# Altium PCB PCB2.PcbDoc
Units mm, origin at the board's own origin, x right, y up, seen from the top; angles counter-clockwise.
Board outline 80 x 66 mm, 2 copper layers (Top Layer, Bottom Layer); 32 components, 32 nets, 157 pads, 45 vias.
Unrouted connection lines stored in the file: 28.
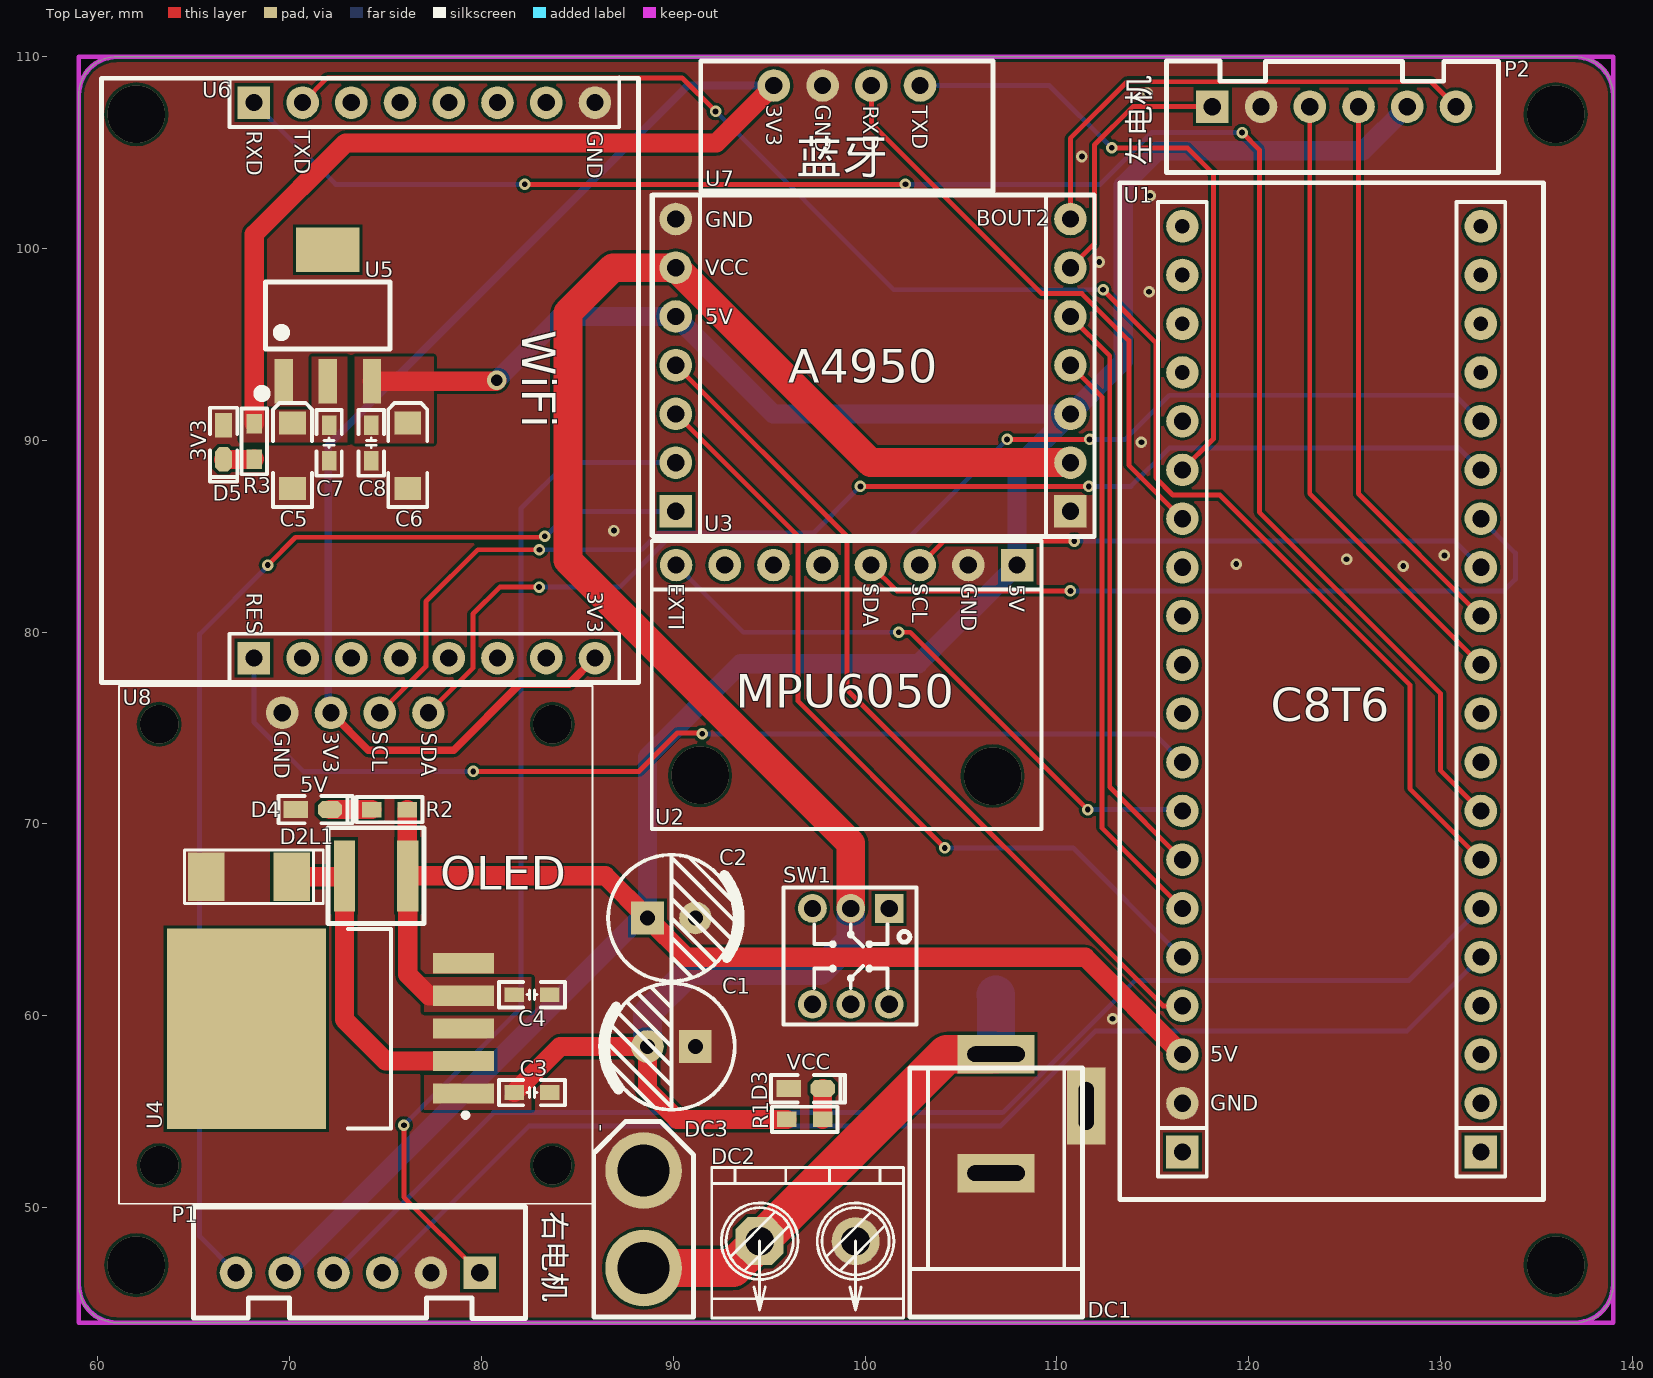
[diagram p0: Top Layer view]
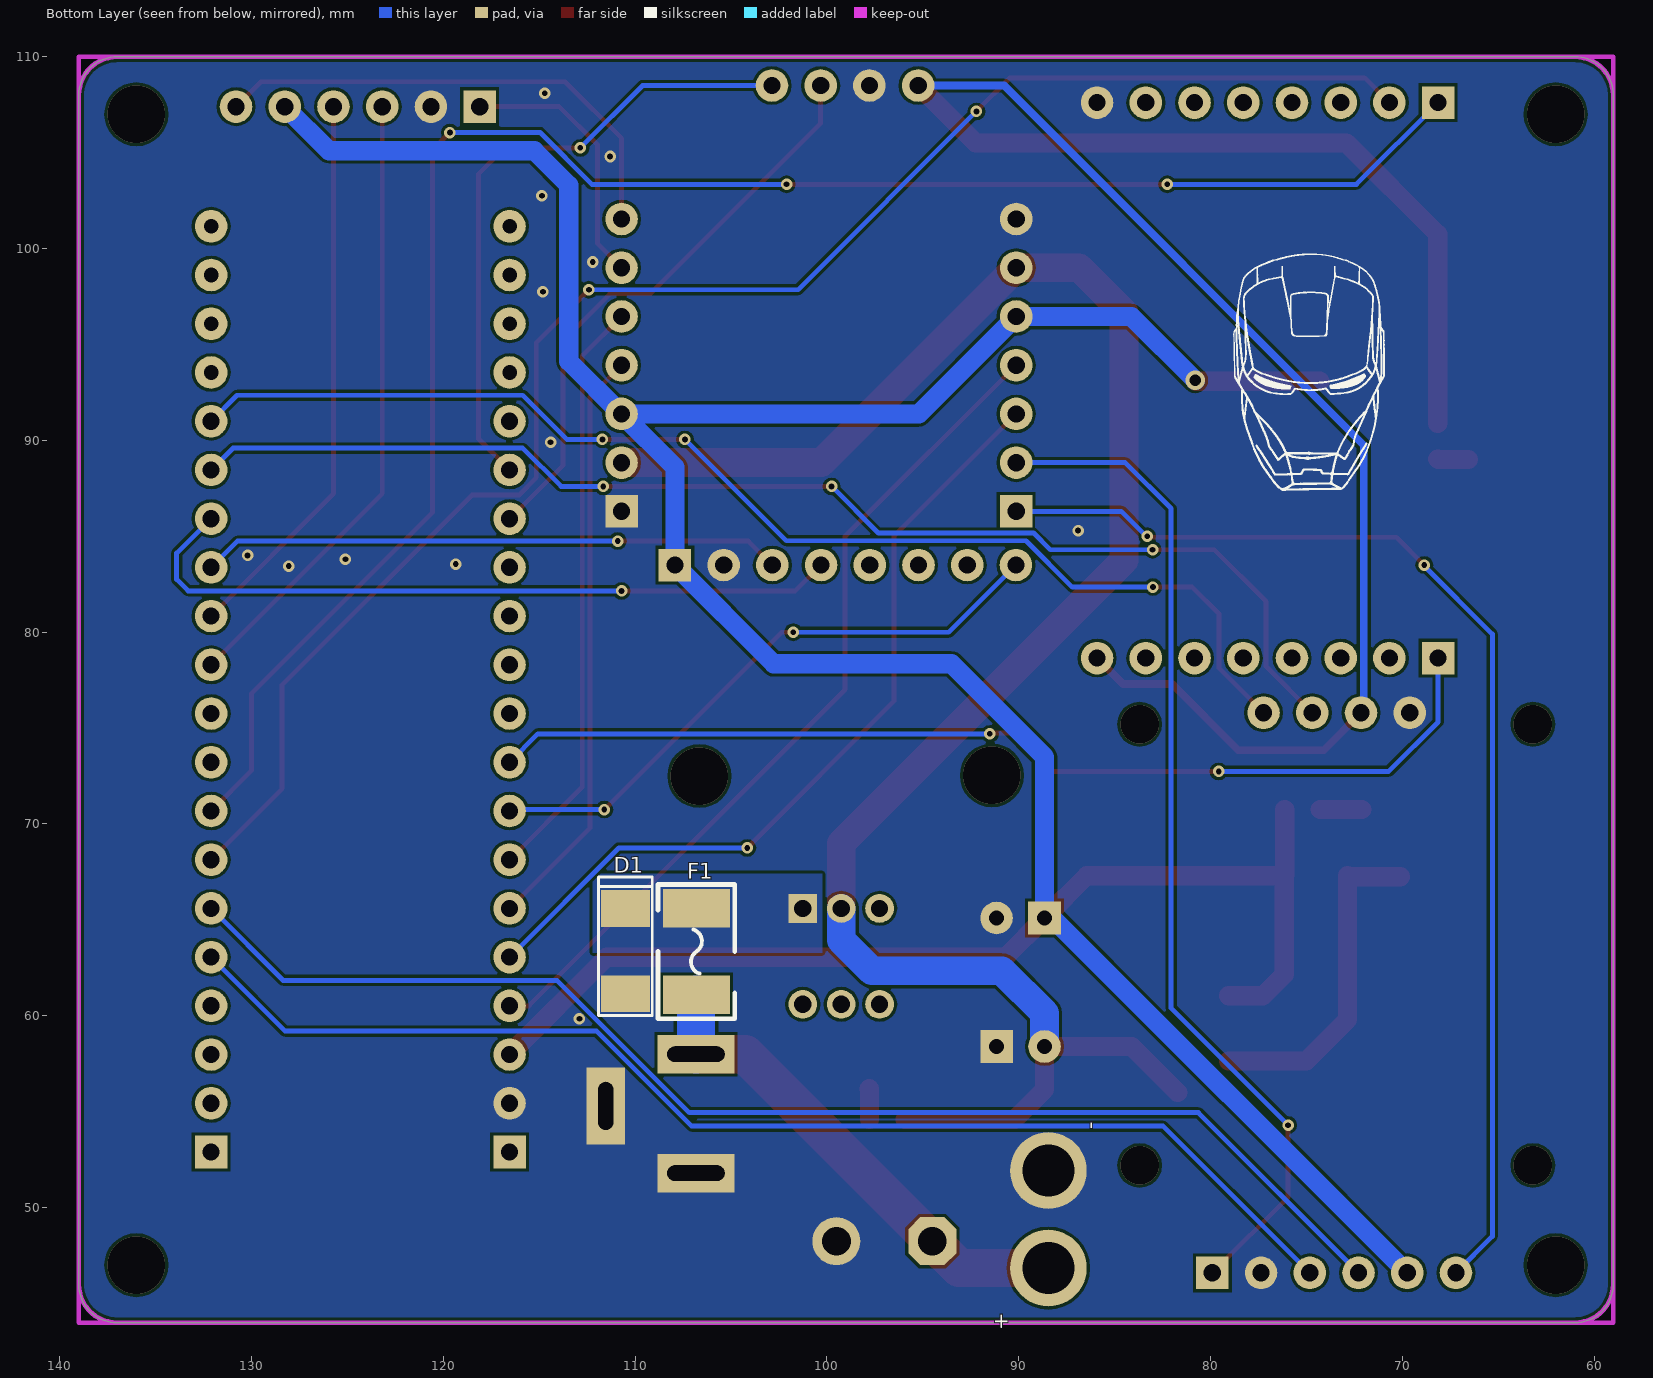
[diagram p1: Bottom Layer view, seen from below]

## Layer stack, top to bottom
Top Solder: solder mask 0.0102, Solder Resist, Dk 3.5
Top Layer: signal copper 0.0356
Dielectric 1: dielectric 0.32, FR-4, Dk 4.8
Bottom Layer: signal copper 0.0356
Bottom Solder: solder mask 0.0102, Solder Resist, Dk 3.5

## Board outline
59,46 ccw(c61,46) 61,44 137,44 ccw(c137,46) 139,46 139,108 ccw(c137,108) 137,110 61,110 ccw(c61,108) 59,108

## Design rules (kind name [scope] priority, off if disabled: settings)
Clearance [All] p1: gap=0.152 ignorepadtopadclearanceinfootprint=FALSE except(0: Arc-Hole Track-Hole SMDPad-Hole THPad-Hole Via-Hole Fill-Hole Poly-Hole Region-Hole Text-Hole)
PlaneConnect [All] p1: planeconnectstyle=Direct reliefexpansion=0.508 reliefentries=4 reliefconductorwidth=0.254 reliefairgap=0.254
PolygonConnect [All] p1: connectstyle=Direct reliefconductorwidth=0.254 reliefentries=4 polygonreliefangle="90 Angle" airgapwidth=0.254
RoutingVias [All] p1: holewidth=0.3 width=0.6 viastyle="Through Hole" minholewidth=0.3 minwidth=0.6 maxholewidth=0.3 maxwidth=0.6
SolderMaskExpansion [All] p1: expansion=0.102 istentingtop=FALSE
Width [All] p1: maxlimit=3 minlimit=0.254 preferedwidth=0.254
29 further rules are at their usual default settings.

## Components (designator, comment, footprint, x,y, rotation, side; value= is the part's Value field where it differs from the comment)
C1 "220uf" "CAP 2.5*6.3*11.2" 89.9,58.4 r180 top
C2 "220uf" "CAP 2.5*6.3*11.2" 89.9,65.1 r0 top
C3 "0.1uf" C_0603 82.627,56 r180 top
C4 "0.1uf" C_0603 82.627,61.1 r180 top
C5 "10uf" "CD A(3216)" 70.15,89.2 r270 top
C6 "10uf" "CD A(3216)" 76.15,89.2 r270 top
C7 "0.1uf" C_0603 72.05,89.873 r90 top
C8 "0.1uf" C_0603 74.25,89.873 r90 top
D1 "SS34" D_1N5819 110.5,63.65 r90 bottom
D2 "SS34" D_1N5819 68.15,67.25 r0 top
D3 "LED" LED_0603 96.9,56.2 r0 top
D4 "LED" LED_0603 71.211,70.75 r0 top
D5 "LED" LED_0603 66.55,89.9 r270 top
DC1 "DC-005插座" DC-005-5.5*2.1 106.95,51.8 r270 top
DC2 "接线端子" 接线端子 92,43.25 r0 top
DC3 "XT30" XT30-M 88.45,49.39 r90 top
F1 "3A/16V" "FU 1812" 106.8,63.35 r90 bottom
L1 "33uH" L_SWPA4020 74.5,67.3 r0 top
P1 "XH2.54" XH2.54-LI-6P 73.55,46.6 r180 top
P2 "XH2.54" XH2.54-LI-6P 124.45,107.4 r0 top
R1 "2K" R_0603 96.85,54.6 r180 top
R2 "1K" R_0603 75.2,70.75 r0 top
R3 "500" R_0603 68.15,89.95 r90 top
SW1 "六脚自锁开关-7*7" "KFT DIP-7X7" 99.25,63.1 r180 top
U1 "C8T6最小系统板" C8T6最小系统板 125.37,68.43 r180 top
U2 "MPU6050" MPU6050 98.395,77.15 r270 top
U3 "A4950" A4950 99.143,95.317 r180 top
U4 "LM2596S-5.0" T0263 73.6,58.5 r0 top
U5 "AMS-1117-3.3V" SOT223 71.856,96.638 r0 top
U6 "ESP8266-12S" ESP8266-12S 64.18,81.38 r90 top
U7 "蓝牙模块" 蓝牙模块 99.7,109 r270 top
U8 "OLED" OLED 73.19,63.7 r0 top

## Footprints (in the part's own frame and the unit in brackets; to place one, negate y for a bottom-side part, rotate by r counter-clockwise, add the part's x,y. Pads: shape width x height; smd on the part's side, far side on the other; paste and mask are expansions set on the pad)
A4950 [mm]
  rect 1.7x1.7 hole 0.9: 1(-11.557,9.017) 8(9.017,9.017)
  round 1.7 hole 0.9: 2(-11.557,6.477) 3(-11.557,3.937) 4(-11.557,1.397) 5(-11.557,-1.143) 6(-11.557,-3.683) 7(-11.557,-6.223) 9(9.017,6.477) 10(9.017,3.937) 11(9.017,1.397) 12(9.017,-1.143) 13(9.017,-3.683) 14(9.017,-6.223)
  silkscreen extent -12.83,-7.49 10.29,10.32, body extent -12.83,-7.49 10.29,10.29, height 8.5
C8T6最小系统板 [mm]
  rect 1.7x1.7 hole 0.9: 1(-6.73,15.53) 21(8.83,15.53)
  round 1.7 hole 0.9: 2(-6.73,12.99) 3(-6.73,10.45) 4(-6.73,7.91) 5(-6.73,5.37) 6(-6.73,2.83) 7(-6.73,0.29) 8(-6.73,-2.25) 9(-6.73,-4.79) 10(-6.73,-7.33) 11(-6.73,-9.87) 12(-6.73,-12.41) 13(-6.73,-14.95) 14(-6.73,-17.49) 15(-6.73,-20.03) 16(-6.73,-22.57) 22(8.83,12.99) 23(8.83,10.45) 24(8.83,7.91) 25(8.83,5.37) 26(8.83,2.83) 27(8.83,0.29) 28(8.83,-2.25) 29(8.83,-4.79) 30(8.83,-7.33) 31(8.83,-9.87) 32(8.83,-12.41) 33(8.83,-14.95) 34(8.83,-17.49) 35(8.83,-20.03) 36(8.83,-22.57)
  round 1.7 hole 0.762: 17(-6.73,-25.11) 18(-6.73,-27.65) 19(-6.73,-30.19) 20(-6.73,-32.73) 37(8.83,-25.11) 38(8.83,-27.65) 39(8.83,-30.19) 40(8.83,-32.73)
  silkscreen extent -10,-35 12.1,18, body extent -8,-34 10.1,16.8, height 8.5
C_0603 [mil]
  rect 40x30 smd: 1(-36.5,0) 2(36.5,0)
  silkscreen extent -68,-26 68,26, body extent -31,-16 31,16, height 32
"CAP 2.5*6.3*11.2" [mm] "脚距2.5mm直径6.3mm高度11.2mm"
  rect 1.7x1.7 hole 0.8: 1(-1.25,0)
  round 1.7 hole 0.8: 2(1.25,0)
  silkscreen extent -3.3,-3.3 3.56,3.3, body extent -3.15,-3.15 3.16,3.15, height 11.23
"CD A(3216)" [mm] "长3.2mm，宽1.6mm，厚1.6mm      淘宝ID:黄晶宝石"
  rect 1.2x1.4 smd: 1(-1.7,0) 2(1.7,0)
  silkscreen extent -2.74,-1.02 2.67,1.02, body extent -1.6,-0.8 1.6,0.8, height 1.6
D_1N5819 [mm]
  rect 1.905x2.54 smd: 1(1.945,0) 2(-2.5,0)
  silkscreen extent -3.64,-1.4 3.6,1.4, body extent -2.88,-1.3 2.32,1.3, height 2.4
DC-005-5.5*2.1 [mm]
  rect 2x4 hole 0.8 slot 3 at 90 deg: 1(-6.2,-0.127) 2(0,-0.127)
  rect 4x2 hole 0.8 slot 2.5 at 0 deg: 3(-3.5,4.573)
  silkscreen extent -5.48,-4.63 7.5,4.37, body extent -6.55,-4.63 7.5,4.67, height 11.2
ESP8266-12S [mm]
  rect 1.7x1.7 hole 0.9: 1(-2.73,-3.95) 9(26.23,-3.95)
  round 1.7 hole 0.9: 2(-2.73,-6.49) 3(-2.73,-9.03) 4(-2.73,-11.57) 5(-2.73,-14.11) 6(-2.73,-16.65) 7(-2.73,-19.19) 8(-2.73,-21.73) 10(26.23,-6.49) 11(26.23,-9.03) 12(26.23,-11.57) 13(26.23,-14.11) 14(26.23,-16.65) 15(26.23,-19.19) 16(26.23,-21.73)
  silkscreen extent -4,-24 27.54,4, body extent -4,-23 27.5,-2.68, height 8.5
"FU 1812" [mm] "贴片保险丝-1812"
  rect 2x3.5 smd: 1(-2.25,0) 2(2.25,0)
  silkscreen extent -3.5,-2 3.5,2, body extent -2.3,-1.61 2.3,1.61, height 0.87
"KFT DIP-7X7" [mm] "自锁开关，规格：7*7mm"
  rect 1.5x1.5 hole 0.9: 1(-2,-2.5)
  round 1.5 hole 0.9: 2(0,-2.5) 3(2,-2.5) 4(-2,2.5) 5(0,2.5) 6(2,2.5)
  silkscreen extent -3.42,-3.58 3.51,3.56, body extent -3.5,-3.5 3.5,3.5, height 11.2
L_SWPA4020 [mm]
  rect 1.1x3.7 smd: 1(-1.651,0) 2(1.651,0)
  silkscreen extent -2.51,-2.49 2.49,2.51, body extent -2.01,-1.99 1.99,2.01, height 2
LED_0603 [mil]
  rect 50x35 smd: 1(-35,0)
  oct 50x35 smd: 2(35,0)
  silkscreen extent -71,-28 81,28, body extent -32,-16 31,16, height 18
MPU6050 [mm]
  rect 1.7x1.7 hole 0.9: 1(-6.35,9.525)
  round 1.7 hole 0.9: 2(-6.35,6.985) 3(-6.35,4.445) 4(-6.35,1.905) 5(-6.35,-0.635) 6(-6.35,-3.175) 7(-6.35,-5.715) 8(-6.35,-8.255)
  silkscreen extent -7.62,-9.53 7.41,10.8, body extent -7.62,-9.53 -5.08,10.79, height 8.5
OLED [mm]
  round 1.7 hole 0.9: 1(-3.58,12.1) 2(-1.04,12.1) 3(1.5,12.1) 4(4.04,12.1)
  silkscreen extent -12.1,-13.5 12.6,13.5, body extent -4.85,10.83 5.31,13.37, height 8.5
R_0603 [mil]
  rect 40x31.5 smd: 1(-36.5,0) 2(36.5,0)
  silkscreen extent -68,-26 68,26, body extent -31,-16 32,16, height 16
SOT223 [mm]
  rect 0.95x2.3 smd: 1(-2.173,-3.556) 2(0.127,-3.556) 3(2.427,-3.556)
  rect 3.3x2.3 smd: 4(0.127,3.302)
  silkscreen extent -3.5,-4.39 3.38,1.62, body extent -3.12,-3.64 3.38,3.38, height 1.65
T0263 [mm]
  rect 3.2x1.05 smd: 1(5.461,-2.558) 2(5.461,-0.858) 3(5.461,0.842) 4(5.461,2.542) 5(5.461,4.242)
  rect 8.3x10.45 smd: 6(-5.863,0.82)
  silkscreen extent -0.58,-4.38 5.69,6.02, body extent -9.28,-4.2 6.39,5.8, height 4.78
XH2.54-LI-6P [mm] "接插件，6P"
  rect 1.7x1.7 hole 0.9: 1(-6.35,0)
  round 1.7 hole 0.9: 2(-3.81,0) 3(-1.27,0) 4(1.27,0) 5(3.81,0) 6(6.35,0)
  silkscreen extent -8.74,-3.43 8.56,2.39, body extent -8.85,-3.3 8.85,2.4, height 7.03
XT30-M [mm]
  round 4 hole 2.7: 1(-2.54,0) 2(2.54,0)
  silkscreen extent -5.1,-2.6 5.11,2.6, body extent -5.18,-2.8 5.02,2.8, height 10.66
接线端子 [mm] "J-DG128-2"
  oct 2.5x2.5 hole 1.5: 1(2.5,5)
  round 2.5 hole 1.5: 2(7.5,5)
  silkscreen extent 0,1 10,8.84, body extent -0.49,1.15 10.01,8.85, height 10
蓝牙模块 [mm]
  round 1.7 hole 0.9: 1(0.5,3.16) 2(0.5,0.62) 3(0.5,-1.92) 4(0.5,-4.46)
  silkscreen extent -0.77,-8.27 6,6.97, body extent -0.77,-5.73 1.77,4.43, height 8.5

## Part data
C1 C2: library part C_6*11, "25V/220uf"
C3 C4 C7 C8: library part C_0603, "4.7nf-4.7uf"
C5 C6: library part C_A型钽电容, "16V/10uf"
D1 D2: "3A/40"
D3 D4 D5: library part LED_0603
F1: library part FU, BOM名称=贴片保险丝, 学习资源=https://shop463601444.taobao.com, 版权归属="封装库来自淘宝卖家 ID：黄晶宝石"
L1: library part L_33uH_4020, "1.5uH-33uH"
R1 R2 R3: library part R_0603
SW1: BOM_JLCPCB Part Class="Extended Part", BOM_Manufacturer="XKB Enterprise", BOM_Manufacturer Part=XKB7070-Z-92, BOM_Supplier=LCSC, BOM_Supplier Part=C318862, Contributor=LCSC, spicePre=S, spiceSymbolName=XKB7070-Z-92
U4: library part LM2596S, "降压3.3V-12V"
U5: library part AMS1117, "降压1.2V-5V"
U7: "四线蓝牙模块"

## Via types
v1: diameter 0.6, hole 0.3, Top Layer to Bottom Layer, tented both sides, 34 vias
v2: diameter 3, hole 3, Top Layer to Bottom Layer, tented both sides, 6 vias
v3: diameter 2, hole 2, Top Layer to Bottom Layer, tented both sides, 4 vias
v4: diameter 1.016, hole 0.61, Top Layer to Bottom Layer, tented both sides, 1 vias

## Nets (pads, with @x,y where several pads share a name; then routed paths per layer and width w, separated by ;. In a path a pad name is that pad's centre, name@x,y a point inside that pad or via, vN(x,y) a via of type N, cw(c..) or ccw(c..) an arc to the next point about the centre after c; other vN are vias at no path point)
3V3: C5.1 C7.2 R3.2 U5.2 U6.8 U7.4 U8.2 | length 101.7
  Top Layer w0.4: U8.2 74.1,73.85 78.55,73.85 82,77.3 84.56,77.3 U6.8
  Top Layer w1: R3.2 68.15,100.75 72.902,105.502 92.242,105.502 U7.4
  Bottom Layer w0.4: U8.2 72,75.95 72,89.75 90.75,108.5 U7.4
5V: C2.1 C4.2 C6.1 C8.2 L1.2 P1.5 P2.5 R2.2 U1.23 U2.1 U3.3 U3.12 U4.4 U5.3 | length 193.1
  Top Layer w1: U5.3 80.75,93.082 v4(80.796,93.128) ; R2.2 76.127,67.324 L1.2 ; U4.4 77.258,61.042 76.151,62.149 L1.2 ; U1.23 111.47,63.05 90.7,63.05 C2.1 86.45,67.3 L1.2
  Bottom Layer w1: P1.5 88.24,65.1 C2.1 88.65,73.5 93.5,78.35 102.77,78.35 U2.1 107.92,88.6 U3.3 ; v4(80.796,93.128) 84.127,96.46 U3.12 95.206,91.38 U3.3 ; P2.5 125.958,105.098 115.248,105.098 113.45,103.3 113.45,94.13 U3.3
AOUT1: P1.1 U3.9 | length 53.1
  Top Layer w0.254: v1(75.95,54.3) 75.95,50.55 P1.1
  Bottom Layer w0.254: v1(75.95,54.3) 82.05,60.4 82.05,86.45 84.44,88.84 U3.9
AOUT2: P1.6 U3.8 | length 61.6
  Top Layer w0.254: v1(68.85,83.5) 70.3,84.95 83.252,84.95 v1(83.3,84.998)
  Bottom Layer w0.254: P1.6 65.3,48.5 65.3,79.9 v1@68.875,83.475 ; v1(83.3,84.998) 83.381,85.079 83.429,85.079 84.65,86.3 U3.8
B_RXD: U1.8 U6.9 | length 94.9
  Top Layer w0.254: v1(82.25,103.35) v1(102.1,103.35) ; v1(119.65,106.05) 120.55,105.15 120.55,86.25 130,76.8 130,72.78 U1.8
  Bottom Layer w0.254: U6.9 72.39,103.35 v1(82.25,103.35) ; v1(102.1,103.35) 112.25,103.35 114.95,106.05 v1(119.65,106.05)
B_TXD: U1.7 U6.10 | length 86.1
  Top Layer w0.254: U6.10 71.96,108.9 90.45,108.9 v1(92.2,107.15) ; v1(112.4,97.85) 115.15,95.1 115.15,88.05 116.05,87.15 118.5,87.15 128.4,77.25 128.4,71.84 U1.7
  Bottom Layer w0.254: v1(92.2,107.15) 101.5,97.85 v1(112.4,97.85)
BOUT1: P2.1 U3.6 | length 13.9
  Top Layer w0.254: U3.6 111.95,100.25 111.95,105.4 113.95,107.4 P2.1
BOUT2: P2.6 U3.7 | length 26.1
  Top Layer w0.254: U3.7 110.7,105.75 113.65,108.7 117.86,108.7 129.5,108.7 P2.6
E_L1: P2.3 U1.11 | length 32.8
  Top Layer w0.254: P2.3 123.18,87.22 U1.11
E_L2: P2.4 U1.12 | length 29.2
  Top Layer w0.254: P2.4 125.72,87.22 U1.12
E_R1: P1.3 U1.5 | length 64.1
  Bottom Layer w0.254: P1.3 82.47,54.25 107.05,54.25 112,59.2 128.24,59.2 U1.5
E_R2: P1.4 U1.6 | length 67.7
  Bottom Layer w0.254: P1.4 80.63,54.95 107.175,54.95 114.075,61.85 128.35,61.85 U1.6
EXTI: U1.28 U2.8 | length 31.7
  Top Layer w0.254: v1(101.75,80) 102.35,80 v1(111.6,70.75)
  Bottom Layer w0.254: U2.8 93.64,80 v1(101.75,80) ; v1(111.6,70.75) 116.47,70.75 U1.28
GND: C1.1 C2.2 C3.1 C4.1 C5.2 C6.2 C7.1 C8.1 D1.2 D2.2 D3.1 D4.1 D5.1 DC1.2 DC1.3 DC2.2 DC3.2 P1.2 P2.2 U1.22 U2.2 U3.1 U3.14 U4.3 U4.5 U5.1 U6.16 U7.3 U8.1
  other v1: 112.9,59.85 128.05,83.45 119.35,83.55 125.1,83.8 130.2,84 86.9,85.3 114.4,89.9 114.8,97.75 112.2,99.3 114.85,102.75 111.3,104.8 114.7,108.1
M_L1: U1.25 U3.10 | length 43.2
  Top Layer w0.254: U3.10 96.5,85.006 96.5,76.4 v1(104.15,68.75)
  Bottom Layer w0.254: v1(104.15,68.75) 110.85,68.75 U1.25
M_L2: U1.24 U3.11 | length 44.9
  Top Layer w0.254: U3.11 99.05,84.996 99.05,77 115.53,60.52 U1.24
M_R1: U1.27 U3.5 | length 30.7
  Top Layer w0.254: U3.5 112.75,94.41 112.75,71.93 U1.27
M_R2: U1.26 U3.4 | length 30.7
  Top Layer w0.254: U3.4 112.344,92.276 112.344,69.796 U1.26
M_SCL: U1.13 U2.3 | length 30.3
  Top Layer w0.254: U2.3 104.09,84.75 v1(110.9,84.75)
  Bottom Layer w0.254: v1(110.9,84.75) 130.73,84.75 U1.13
M_SDA: U1.14 U2.4 | length 38.3
  Top Layer w0.254: U2.4 101.65,82.15 v1(110.7,82.15)
  Bottom Layer w0.254: v1(110.7,82.15) 133.3,82.15 133.9,82.75 133.9,84.12 U1.14
NetD2_1: D2.1 L1.1 U4.2 | length 17.4
  Top Layer w1: D2.1 72.799,67.25 L1.1 72.849,59.801 75.008,57.642 U4.2
NetD3_2: D3.2 R1.1 | length 1.6
  Top Layer w1: R1.1 97.777,56.188 D3.2
NetD4_2: D4.2 R2.1 | length 2.2
  Top Layer w1: D4.2 R2.1
NetD5_2: D5.2 R3.1 | length 1.6
  Top Layer w1: D5.2 68.138,89.011 R3.1
O_SCL: U1.15 U8.3 | length 65.6
  Top Layer w0.254: U8.3 77.1,78.21 77.1,81.6 79.8,84.3 v1(83.018,84.3) ; v1(99.75,87.6) v1(111.65,87.6)
  Bottom Layer w0.254: v1(83.018,84.3) 88.35,84.3 89.221,85.171 97.321,85.171 v1(99.75,87.6) ; v1(111.65,87.6) 113.85,87.6 115.85,89.6 130.96,89.6 U1.15
O_SDA: U1.16 U8.4 | length 63.9
  Top Layer w0.254: U8.4 79.55,78.12 79.55,80.95 80.95,82.35 v1(83,82.35) ; v1(107.4,90.05) v1(111.7,90.05)
  Bottom Layer w0.254: v1(83,82.35) 87.2,82.35 89.614,84.764 102.114,84.764 106.544,89.194 v1(107.4,90.05) ; v1(111.7,90.05) 113.55,90.05 115.85,92.35 130.75,92.35 U1.16
RESET: U1.29 U6.1 | length 54.3
  Top Layer w0.254: v1(79.573,72.742) 88.208,72.742 90.216,74.75 91.5,74.75 v1(91.5,74.7)
  Bottom Layer w0.254: U6.1 68.13,75.32 70.708,72.742 v1(79.573,72.742) ; v1(91.5,74.7) 115.06,74.7 U1.29
RXD: U1.34 U7.2 | length 30.5
  Top Layer w0.254: U7.2 100.32,106.53 109.2,97.65 111.3,97.65 113.75,95.2 113.75,88.71 U1.34
TXD: U1.35 U7.1 | length 33.3
  Top Layer w0.254: v1(112.85,105.25) 116.8,105.25 118.152,103.898 118.152,90.072 U1.35
  Bottom Layer w0.254: U7.1 109.6,108.5 v1(112.85,105.25)
VCC: C1.2 C3.2 R1.2 SW1.2 U3.2 U3.13 U4.1 | length 102.2
  Top Layer w1: C3.2 84.1,58.4 C1.2 88.65,56.15 90.2,54.6 R1.2
  Top Layer w1.5: SW1.2 99.25,69 84.502,83.748 84.502,96.652 86.85,99 U3.13 100.286,88.84 U3.2
  Bottom Layer w1.5: C1.2 88.65,60.124 90.876,62.35 97.65,62.35 99.25,63.95 SW1.2
VIN: D1.1 F1.2 SW1.1
VIN+: DC1.1 DC2.1 DC3.1 F1.1 | length 26.1
  Top Layer w2: DC3.1 93.1,46.85 DC2.1 104.25,58 DC1.1
  Bottom Layer w2: F1.1 106.823,61.077 DC1.1
pads on no net: SW1.3 SW1.4 SW1.5 SW1.6 U1.1 U1.2 U1.3 U1.4 U1.9 U1.10 U1.17 U1.18 U1.19 U1.20 U1.21 U1.30 U1.31 U1.32 U1.33 U1.36 U1.37 U1.38 U1.39 U1.40 U2.5 U2.6 U2.7 U4.6 U5.4 U6.2 U6.3 U6.4 U6.5 U6.6 U6.7 U6.11 U6.12 U6.13 U6.14 U6.15
copper on no net:
  other v2: 62,47 136,47 106.645,72.5 91.395,72.53 62,107 136,107
  other v3: 63.19,52.2 83.69,52.2 63.19,75.2 83.69,75.2

## Polygon pours and split planes (outlines as drawn)
GND on Top Layer "GND_L02_P-001" (solid, remove dead copper, pour order 7): 59,110 139,110 139,44 59,44
5V on Top Layer "GND_L02_P-001" (solid, pour order 6): 73.4,94.35 77.5,94.35 77.5,89.85 73.4,89.85
3V3 on Top Layer "GND_L02_P-001" (solid, pour order 5): 73,94.35 73,89.9 68.9,89.9 67.45,89.9 67.5,91.6 71.05,91.6 71.15,91.7 71.15,94.35
5V on Top Layer "GND_L02_P-001" (solid, pour order 0): 77,62 82.6,62 82.6,60.2 77,60.2
VCC on Top Layer "GND_L02_P-001" (solid, pour order 1): 77,56.9 82.6,56.9 82.6,55.1 77,55.1
GND on Bottom Layer "GND_L02_P-001" (solid, remove dead copper, pour order 8): 59,110 139,110 139,44 59,44
VIN on Bottom Layer "GND_L02_P-001" (solid, pour order 4): 112.2,67.4 100.25,67.4 100.25,63.3 112.2,63.3

## Keep-outs
Keep-Out Layer:
  lines w0.254: 59,46 ccw(c61,46) 61,44 ; 59,108 cw(c61,108) 61,110 ; 137,44 ccw(c137,46) 139,46 ; 137,110 cw(c137,108) 139,108 ; 59,44 59,110 139,110 139,44 59,44

## Silkscreen, mask and mechanical layers (free items; w line width, h text height)
Top Overlay:
  text "3V3" at 94.85,107.5 h0.8 r270
  text "GND" at 97.4,107.5 h0.8 r270
  text "RXD" at 99.9,107.45 h0.8 r270
  text "TXD" at 102.45,107.45 h0.8 r270
  text "RXD" at 67.75,106.15 h0.8 r270
  text "TXD" at 70.25,106.15 h0.8 r270
  text "GND" at 85.5,106.15 h0.8 r270
  text "左电机" at 115.215,104.3 h2 r90
  text "蓝牙" at 96.403,103.347 h3
  text "BOUT2" at 105.8,101.2 h0.8
  text "GND" at 91.65,101.1 h0.8
  text "VCC" at 91.65,98.6 h0.8
  text "5V" at 91.65,96.05 h0.8
  text "WiFi" at 81.55,95.75 h3 r270
  text "A4950" at 96,92.436 h3
  text "3V3" at 65.65,88.9 h0.8 r90
  text "EXTI" at 89.75,82.55 h0.8 r270
  text "SDA" at 99.9,82.55 h0.8 r270
  text "SCL" at 102.45,82.55 h0.8 r270
  text "GND" at 105,82.55 h0.8 r270
  text "5V" at 107.5,82.5 h0.8 r270
  text "3V3" at 85.5,82.1 h0.8 r270
  text "RES" at 67.75,82.05 h0.8 r270
  text "MPU6050" at 93.25,75.486 h3
  text "GND" at 69.2,74.85 h0.8 r270
  text "3V3" at 71.75,74.8 h0.8 r270
  text "SCL" at 74.3,74.8 h0.8 r270
  text "C8T6" at 121.15,74.786 h3
  text "SDA" at 76.85,74.75 h0.8 r270
  text "5V" at 70.55,71.65 h0.8
  text "OLED" at 77.85,65.986 h3
  text "5V" at 118,57.6 h0.8
  text "VCC" at 95.9,57.2 h0.8
  text "GND" at 118,55.05 h0.8
  text "右电机" at 82.885,49.8 h2 r270
Bottom Overlay:
  drawing of 3356 lines, arcs and shapes, not listed

## Text inside footprints (layer, text, board x,y; h text height)
DC3: Top Overlay "-" at 86.494,53.962 h0.8 r90; Bottom Overlay "+" at 91.225,44.51 h0.8 r90; Bottom Overlay "-" at 86.494,54.47 h0.8 r90